# Altium PCB GameBoard_V1I1_Phase1.PcbDoc (part 15 of 18)
Units mm, origin at the board's own origin, x right, y up, seen from the top; angles counter-clockwise.
Board outline 182 x 70.2 mm, 12 copper layers (L1, L2, L3, L4, L5 (PWR), L6 (PWR), L7 (PWR), L8 (PWR), L9, L10, L11, L12), stack 2.079 mm thick; 1542 components, 1068 nets, 5447 pads, 3805 vias.
Unrouted connection lines stored in the file: 2.
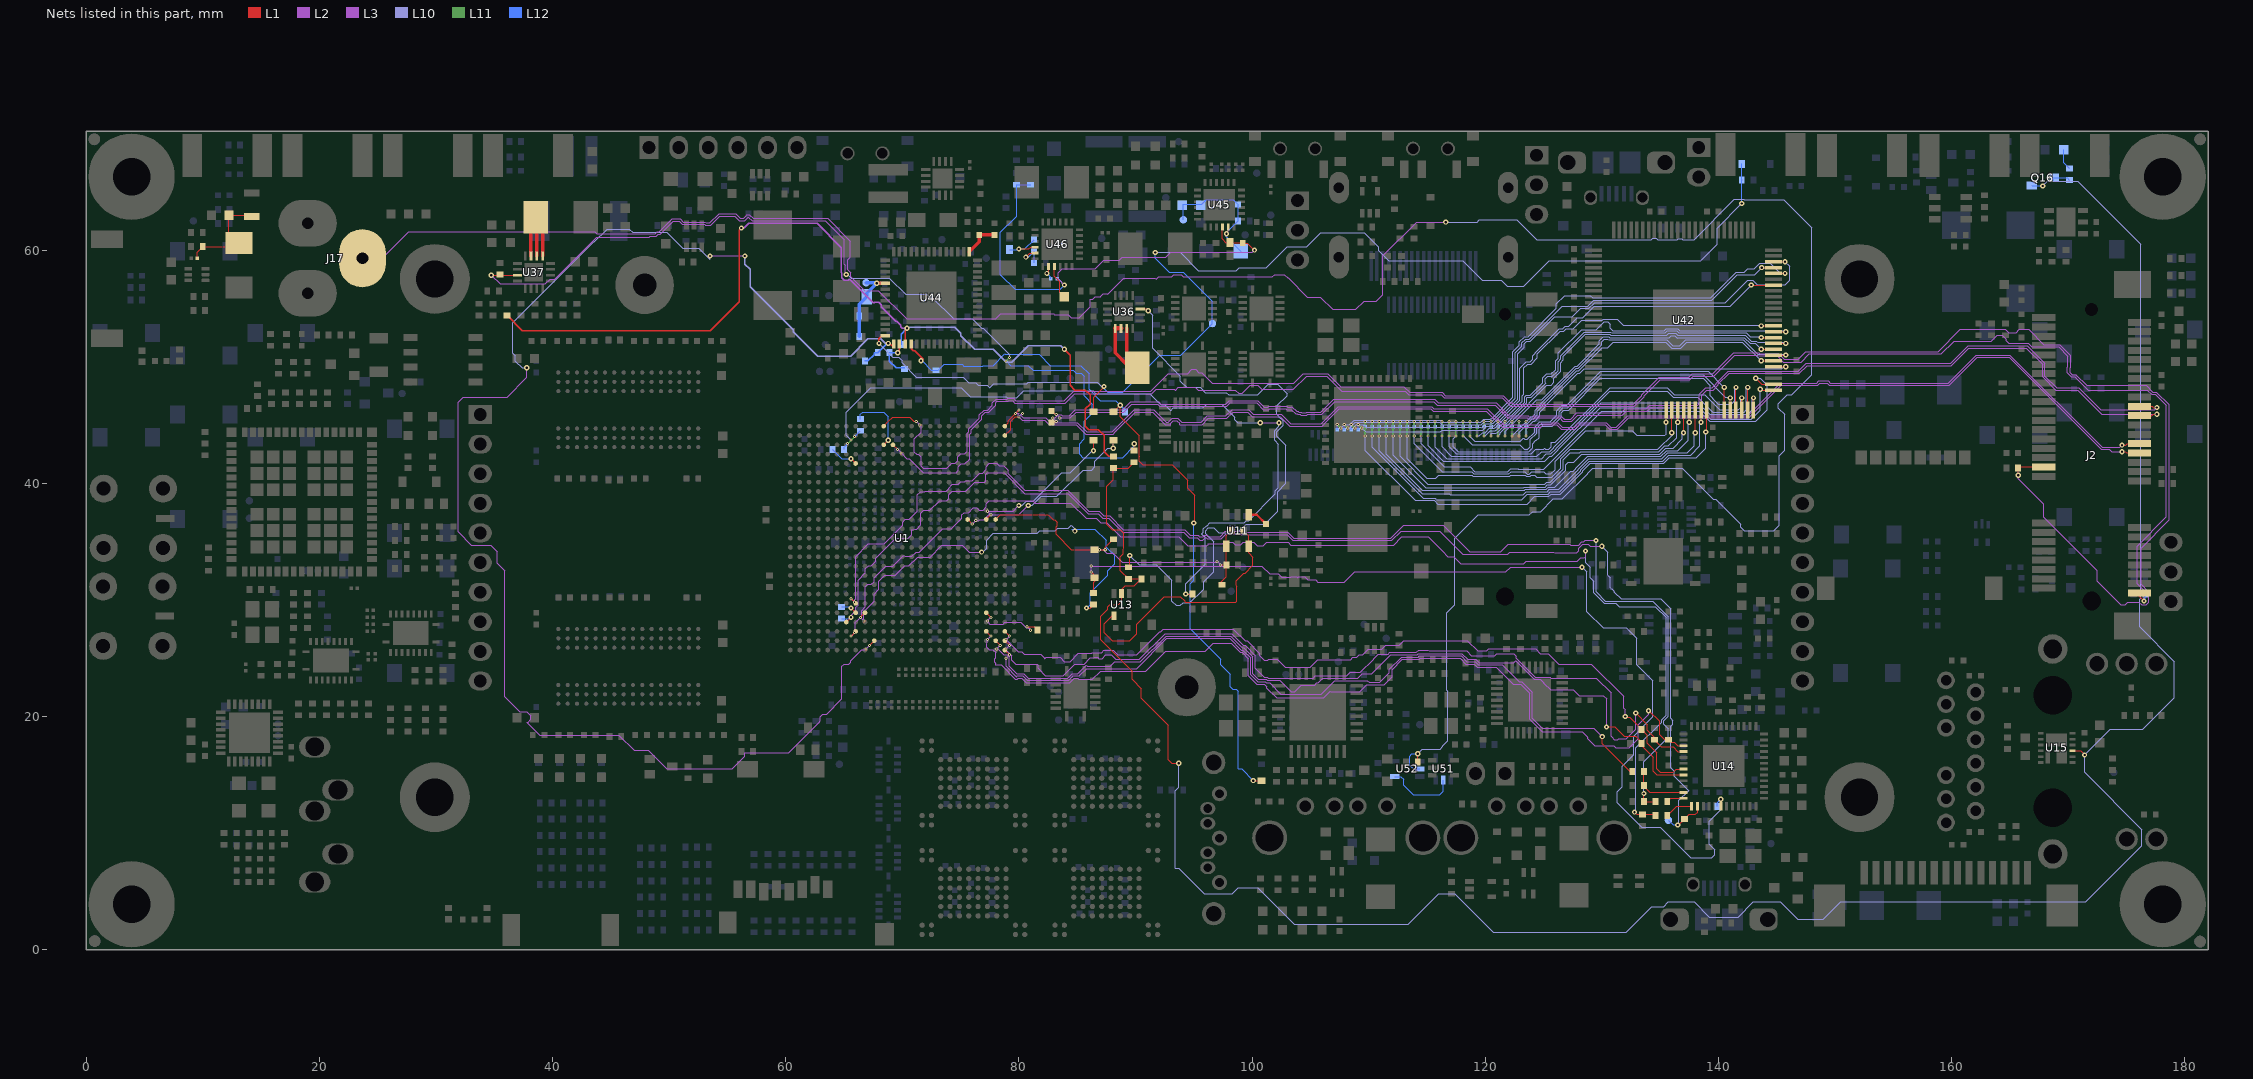
[diagram p25: the nets of this part, all layers, seen from the top]

## Via types
v1: diameter 0.45, hole 0.2, L1 to L12, 1937 vias
v2: diameter 0.45, hole 0.2, L1 to L12, tented both sides, 1004 vias
v3: diameter 0.27, hole 0.1, L1 to L2, 337 vias
v4: diameter 0.27, hole 0.1, L2 to L3, 335 vias
v5: diameter 0.27, hole 0.1, L10 to L11, 96 vias
v6: diameter 0.27, hole 0.1, L11 to L12, 94 vias
v7: diameter 0.27, hole 0.1, L3 to L5 (PWR), 2 vias

## Nets (pads, with @x,y where several pads share a name; then routed paths per layer and width w, separated by ;. In a path a pad name is that pad's centre, name@x,y a point inside that pad or via, vN(x,y) a via of type N, cw(c..) or ccw(c..) an arc to the next point about the centre after c; other vN are vias at no path point) (continued)
PCIE_RSTn_R: R18.1 R110.2 R674.1 | length 66
  L1 w0.1: v1(94.3,30.5) R110.2@94.9,30.5
  L3 w0.1: v2(100.7,45.2) v2(102.3,45.2)
  L10 w0.1: v5(65.6,43.7) 65.2,44.1 65.2,46.1 67.275,48.175 75.075,48.175 75.83,47.42 78.894,47.42 78.982,47.332 79.81,47.332 80.403,47.925 86.362,47.925 86.587,47.7 91.224,47.7 92.185,46.739 92.514,46.739 93.011,46.241 93.245,46.475 95.774,46.475 96.099,46.8 97.387,46.8 98.525,45.662 98.525,45.445 98.77,45.2 v2(100.7,45.2) ; v1(94.3,30.5) 94.3,31.4 95.975,33.075 95.975,35.355 95.7,35.63 95.7,35.687 95.813,35.8 95.813,36.083 96.105,36.375 96.162,36.375 96.387,36.6 99.317,36.6 99.517,36.8 99.705,36.8 102,39.095 102,39.373 102.232,39.605 102.232,43.364 101.925,43.671 101.925,44.51 102.3,44.885 v2(102.3,45.2)
  L11 w0.1: v6(65.3,43.4) v5(65.6,43.7) v6(65.9,44)
  L12 w0.1: R18.1@65,42.9 65,43.1 v6(65.3,43.4) ; v6(65.9,44) R674.1@66.4,44.5
PCIE_RSTn_R_CPU: R18.2 R581.2 U1.V5 | length 2.5
  L1 w0.093: v2(65.6,42.1) U1.V5@66,41.7
  L12 w0.093: R18.2@64,42.9 64.8,42.1 v2(65.6,42.1)
PCIE_RSTn_R_CPU_ALT: R674.2 U1.R3 | length 5.6
  L1 w0.1: U1.R3@68.4,43.3 v2(68.8,43.7)
  L12 w0.1: R674.2@66.4,45.5 66.4,45.9 66.6,46.1 68.4,46.1 68.8,45.7 v2(68.8,43.7)
PCIE_RX_N: J2.23 U1.B1 | length 110.2
  L1 w0.1: U1.B1@78.8,44.9 79.1,45.2 79.1,45.383 v3(80.009,46.291) ; v1(174.6,42.7) 174.9,42.7 175,42.6 J2.23@176.1,42.6
  L3 w0.1: v4(79.709,45.991) 80.009,45.991 79.941,45.924 79.941,45.759 80.3,45.4 82.217,45.4 82.617,45 84.917,45 85.717,44.2 88.083,44.2 88.283,44.4 89.983,46.1 91.5,46.1 92.4,45.2 92.57,45.03 93.025,45.03 93.025,45.155 93.245,45.375 93.555,45.375 93.775,45.155 93.775,45.03 95.713,45.03 96.255,45.572 97.841,45.572 98.37,46.1 99.617,46.1 100.017,45.7 102.417,45.7 103.217,44.9 106,44.9 106.4,45.3 107.483,46.383 115.334,46.383 115.517,46.2 120.1,46.2 121.5,44.8 124.77,44.8 124.97,45 126.134,45 126.509,44.625 127.7,44.625 128.075,45 130.3,45 130.675,44.625 131.325,44.625 132.3,45.6 142.6,45.6 145.4,48.4 148.504,48.4 148.679,48.575 149.321,48.575 149.496,48.4 159.783,48.4 162.183,50.8 164.917,50.8 172.817,42.9 173.517,42.9 173.717,42.7 v1(174.6,42.7)
  L2 w0.1: v4(79.709,45.991) v3(80.009,46.291)
PCIE_RX_P: J2.25 U1.B2 | length 109.9
  L1 w0.1: U1.B2@78.8,44.1 79.3,44.6 79.3,45.3 79.7,45.7 v3(80,45.7) ; v1(174.6,43.275) 174.925,43.275 175.05,43.4 J2.25@176.1,43.4
  L3 w0.1: v4(80.3,46) 80.141,45.841 80.383,45.6 82.3,45.6 82.5,45.4 82.7,45.2 85,45.2 85.8,44.4 88,44.4 89.9,46.3 91.583,46.3 92.653,45.23 92.825,45.23 92.825,45.238 93.162,45.575 93.638,45.575 93.975,45.238 93.975,45.23 95.63,45.23 96.172,45.772 97.759,45.772 98.287,46.3 99.7,46.3 100.1,45.9 102.5,45.9 103.3,45.1 105.917,45.1 106.917,46.1 107.4,46.583 115.417,46.583 115.6,46.4 120.183,46.4 121.583,45 124.687,45 124.887,45.2 126.217,45.2 126.592,44.825 127.617,44.825 127.992,45.2 130.383,45.2 130.758,44.825 131.242,44.825 132.217,45.8 142.517,45.8 145.317,48.6 148.421,48.6 148.596,48.775 149.404,48.775 149.579,48.6 159.7,48.6 162.1,51 165,51 172.9,43.1 174.425,43.1 v1(174.6,43.275)
  L2 w0.1: v3(80,45.7) v4(80.3,46)
PCIE_TX_N: C62.2 J2.31 | length 105.2
  L1 w0.1: C62.2@82.8,46.2 83.1,45.9 v3(83.2,45.9) ; J2.31@176.1,45.8 177.15,45.8 177.275,45.925 v1(177.6,45.925)
  L3 w0.1: v4(83.5,45.6) 84.4,45.6 84.9,46.1 88.983,46.1 89.683,46.8 91.9,46.8 92.1,46.6 97.834,46.6 98.134,46.9 100.387,46.9 100.962,46.325 101.438,46.325 101.522,46.409 102.878,46.409 102.962,46.325 103.375,46.325 103.725,45.975 103.855,45.975 103.93,45.9 104.113,45.9 104.172,45.841 104.707,45.841 104.766,45.9 105.983,45.9 107.083,47 115.6,47 115.9,46.7 120.841,46.7 121.941,45.6 123.587,45.6 123.662,45.525 124.138,45.525 124.213,45.6 126.387,45.6 126.662,45.325 126.675,45.325 126.7,45.3 127.4,45.3 127.941,45.841 131.741,45.841 132.1,46.2 133.883,46.2 134.183,46.5 138.3,46.5 138.559,46.759 138.559,47.559 139,48 139.566,48 140,48.434 140,48.517 140.908,49.425 146.925,49.425 147.6,50.1 159.983,50.1 161.483,51.6 166.4,51.6 167.8,50.2 167.8,49.117 168.917,48 170.8,48 172.875,45.925 v1(177.6,45.925)
  L2 w0.1: v3(83.2,45.9) v4(83.5,45.6)
PCIE_TX_P: C65.2 J2.33 | length 106
  L1 w0.1: C65.2@82.8,45 83.1,45.3 v3(83.2,45.3) ; J2.33@176.1,46.6 177.2,46.6 177.3,46.5 v1(177.6,46.5)
  L3 w0.1: v4(82.9,45.6) 83.097,45.6 83.382,45.885 83.618,45.885 83.703,45.8 84.317,45.8 84.817,46.3 88.9,46.3 89.6,47 91.983,47 92.183,46.8 97.751,46.8 98.051,47.1 100.47,47.1 101.045,46.525 101.355,46.525 101.439,46.609 102.961,46.609 103.045,46.525 103.355,46.525 103.407,46.576 103.808,46.175 103.938,46.175 104.013,46.1 104.196,46.1 104.255,46.041 104.624,46.041 104.683,46.1 105.9,46.1 106.8,47 107,47.2 115.683,47.2 115.983,46.9 120.924,46.9 122.024,45.8 123.67,45.8 123.745,45.725 124.055,45.725 124.13,45.8 126.47,45.8 126.745,45.525 126.758,45.525 126.783,45.5 127.317,45.5 127.859,46.041 129.993,46.041 130.017,46.066 130.041,46.041 131.659,46.041 131.932,46.315 132.017,46.4 133.8,46.4 134.1,46.7 138.217,46.7 138.359,46.841 138.359,47.641 138.917,48.2 139.483,48.2 139.8,48.517 139.8,48.6 140.825,49.625 146.842,49.625 147.517,50.3 159.9,50.3 161.4,51.8 166.483,51.8 168,50.283 168,49.2 169,48.2 170.883,48.2 172.783,46.3 177.4,46.3 v1(177.6,46.5)
  L2 w0.1: v4(82.9,45.6) v3(83.2,45.3)
PCIE_WAKE: J2.1 R151.1 U1.P3 | length 143.5
  L1 w0.093: U1.P3@69.2,43.3 v3(69.6,42.9)
  L1 w0.1: J2.1@176.1,30.6 176.1,30.3 v1(176.5,29.9)
  L3 w0.1: v4(69.9,42.6) 70.4,42.1 70.6,42.1 71.775,40.925 74.625,40.925 74.8,41.1 74.8,41.43 75.045,41.675 75.375,41.675 75.775,42.075 75.775,43.138 75.775,44.226 75.892,44.344 75.892,44.575 76.815,45.498 76.815,45.801 77.099,46.085 77.402,46.085 78,46.683 78,46.9 78.12,47.02 79.09,47.02 79.145,47.075 79.455,47.075 79.647,46.883 83.983,46.883 84.8,47.7 91.383,47.7 91.758,48.075 93.325,48.075 93.4,48 93.437,48 93.662,48.225 95.138,48.225 95.363,48 98.57,48 98.845,47.725 99.155,47.725 99.83,48.4 100.5,48.4 100.825,48.075 103.545,48.075 104.67,49.2 106.4,49.2 107.7,47.9 113.142,47.9 113.442,47.6 116.217,47.6 116.492,47.325 121.467,47.325 122.192,46.6 132.783,46.6 133.625,47.442 133.625,47.505 135.02,48.9 137.514,48.9 137.814,49.2 139.6,49.2 141.4,51 143.362,51 143.437,50.925 145.037,50.925 145.562,50.4 147.1,50.4 147.8,51.1 159.1,51.1 160.2,52.2 163.4,52.2 163.9,52.7 164.33,52.7 164.675,52.355 164.675,52.225 164.9,52 166.566,52 166.866,51.7 169.183,51.7 169.966,50.917 169.966,49.979 169.925,49.938 169.925,49.462 170.262,49.125 170.575,49.125 171.7,48 176.787,48 177.162,47.625 177.475,47.625 178.417,46.683 178.417,37.117 175.9,34.6 175.9,31.4 176.5,30.8 v1(176.5,29.9)
  L2 w0.1: v3(69.6,42.9) v4(69.9,42.6)
  L12 w0.1: v1(176.5,29.9) 176.6,30 R151.1@176.6,30.4
PCIE_WDISn: J2.20 R14.1 U1.R1 | length 167.6
  L1 w0.093: U1.R1@68.4,44.9 68.8,45.3 69.171,45.672 70.62,45.672 70.992,45.3 v3(71.2,45.3)
  L1 w0.1: v1(165.7,40.7) R14.1@165.7,41.3 165.8,41.4 J2.20@167.9,41.4
  L3 w0.1: v4(71.5,45) 71.575,44.925 71.575,44.345 71,43.77 71,42.7 71.225,42.475 71.355,42.475 71.575,42.255 71.575,41.525 71.8,41.3 73.803,41.3 74.185,41.682 74.185,41.685 74.225,41.725 74.555,41.725 74.775,41.945 74.775,42.275 75.025,42.525 75.355,42.525 75.575,42.745 75.575,43.055 75.575,44.309 75.692,44.426 75.692,44.658 76.615,45.581 76.615,45.884 77.016,46.285 77.319,46.285 77.734,46.7 77.734,46.917 78.037,47.22 79.007,47.22 79.062,47.275 79.538,47.275 79.73,47.083 83.883,47.083 84.7,47.9 91.3,47.9 92.8,49.4 94.47,49.4 94.845,49.775 95.155,49.775 95.43,49.5 95.7,49.5 96.6,48.6 103.583,48.6 104.383,49.4 106.483,49.4 107.583,48.3 113.025,48.3 113.525,47.8 116.3,47.8 116.575,47.525 121.55,47.525 122.16,46.915 122.305,46.915 122.42,46.8 132.7,46.8 133.425,47.525 133.425,47.588 134.937,49.1 137.431,49.1 137.741,49.409 139.526,49.409 141.317,51.2 143.445,51.2 143.52,51.125 145.12,51.125 145.62,50.625 146.825,50.625 147.5,51.3 158.851,51.3 160.751,53.2 164.604,53.2 164.879,52.925 165.521,52.925 165.796,53.2 166.6,53.2 167.9,51.9 169.266,51.9 170.166,51 170.166,49.896 170.125,49.855 170.125,49.545 170.345,49.325 170.658,49.325 171.583,48.4 176.67,48.4 177.245,47.825 177.558,47.825 178.617,46.766 178.617,36.817 176.2,34.4 176.2,31.383 176.875,30.708 176.875,29.745 176.655,29.525 176.345,29.525 176.095,29.775 175.075,29.775 175.075,29.745 174.855,29.525 174.545,29.525 174.325,29.745 174.325,29.775 172.5,31.6 172.5,32.5 167.9,37.1 167.9,38.2 166.1,40 165.7,40.4 v1(165.7,40.7)
  L2 w0.1: v3(71.2,45.3) v4(71.5,45)
PHASE_1V375: L6.1 U36.13 U36.14 U36.15 | length 7.5
  L1 w0.3: U36.13@88.25,53.29 88.25,51.187 L6.1@89.25,50.187 ; U36.15@89.25,53.29 L6.1@89.25,50.187 ; L6.1@89.537,49.9 L6.1@89.25,50.187
  L1 w0.4: U36.13@88.25,53.29 U36.14@88.75,53.29
PHASE_3V3_HDR: L7.1 U37.13 U37.14 U37.15 | length 10.2
  L1 w0.3: U37.15@38.15,59.51 38.15,62.388 L7.1@38.563,62.8 L7.1@38.65,62.713 ; U37.14@38.65,59.51 L7.1@38.65,62.713 ; U37.13@39.15,59.51 39.15,62.213 L7.1@38.65,62.713
PMIC_INT: R435.1 R439.2 U1.T24 U44.1 | length 128.1
  L1 w0.093: v3(67.2,26.1) U1.T24@67.6,26.5
  L1 w0.114: v2(68.8,52) 68.9,52 69.25,51.65 U44.1@69.25,51.95
  L3 w0.1: v2(37.8,49.9) 37.8,49.1 36.1,47.4 32.334,47.4 31.9,46.966 31.9,35.84 33.04,34.7 34.7,34.7 35.257,34.143 35.257,33.126 35.9,32.483 35.9,21.7 37.2,20.4 37.78,20.4 38.125,20.055 38.125,19.745 37.905,19.525 37.825,19.525 37.8,19.5 38.9,18.4 45.7,18.4 46.996,17.103 48.2,17.103 49.803,15.5 55.4,15.5 56.5,16.6 56.5,16.9 60.243,16.9 62.9,19.557 62.9,19.587 62.95,19.637 62.95,19.98 63.17,20.2 63.513,20.2 64.825,21.512 64.825,24.138 64.825,24.3 65,24.475 65.39,24.475 65.575,24.66 65.575,24.775 66.525,25.725 66.825,25.725 v4(66.9,25.8) ; v1(53.5,59.5) v1(56.5,59.5)
  L10 w0.1: v2(37.8,49.9) 37.4,49.9 36.825,50.475 36.825,50.938 36.6,51.163 36.6,53.767 43.533,60.7 43.6,60.7 44.7,61.8 46.6,61.8 46.883,61.517 49.806,61.517 51.183,60.141 52.559,60.141 53.5,59.2 v1(53.5,59.5)
  L10 w0.114: v1(56.5,59.5) 56.5,58.8 56.96,58.34 56.96,56.847 60.632,53.175 60.632,52.999 62.731,50.9 65.56,50.9 67.042,52.382 68.158,52.382 68.54,52 v2(68.8,52)
  L2 w0.1: v4(66.9,25.8) v3(67.2,26.1)
  L12 w0.114: R435.1@66.8,50.5 67.04,50.5 67.582,51.042 67.582,51.2 R439.2@67.9,51.2 68.7,52 v2(68.8,52)
PMIC_ON_REQ: D2.1 R69.1 U1.D11 | length 14
  L1 w0.1: U1.D11@77.2,36.9 v3(77.6,37.3) ; v1(86.4,42.8) D2.1@86.4,43.681
  L3 w0.1: v4(77.3,37.6) 79.5,37.6 v1(80,38.1)
  L10 w0.1: v1(80,38.1) 80.27,38.1 80.645,38.475 81.216,38.475 83.657,40.916 84.413,40.916 86.297,42.8 v1(86.4,42.8)
  L2 w0.1: v4(77.3,37.6) v3(77.6,37.3)
  L12 w0.1: v1(86.4,42.8) R69.1@86.4,43.7
PMIC_SDWNB: R436.1 R439.1 U44.2 | length 3.8
  L1 w0.114: v2(69.6,51.2) 69.75,51.35 U44.2@69.75,51.95
  L12 w0.114: v2(69.6,51.2) R439.1@68.9,51.2 68.9,50.46 69.46,49.9 R436.1@70.2,49.9
PMIC_STBY_REQ: D1.2 D23.2 R434.1 R440.2 U44.4 | length 64.2
  L1 w0.1: D1.2@88.1,46.119 88.681,46.7 v1(88.7,46.7) 88.7,45.7 90.328,44.072 90.328,42.488 90.311,42.471 90.311,42.306 90.328,42.289 90.328,41.872 90.6,41.6 93.13,41.6 94.475,40.255 94.475,39.575 95.075,38.975 95.075,36.675 v1(95,36.6) ; v1(100.1,14.5) 100.781,14.5 D23.2@100.8,14.481
  L1 w0.114: U44.4@70.75,51.95 70.75,51.55 70.918,51.382 71.058,51.382 71.7,50.74 71.8,50.64 71.66,50.5 v2(71.6,50.5)
  L12 w0.1: v2(71.6,50.5) 71.7,50.5 72.5,49.7 R434.1@72.9,49.7 73.1,49.7 73.6,50.2 75.138,50.2 75.288,50.05 76.912,50.05 76.962,50.1 77.783,50.1 78.783,51.1 78.808,51.075 81.725,51.075 82.7,50.1 85.3,50.1 86.025,49.375 86.025,48.045 86.995,47.075 88.325,47.075 v1(88.7,46.7) 89.1,46.3 R440.2@89.1,46.1 ; v1(95,36.6) 95,31.665 94.7,31.365 94.7,27.529 97.325,24.904 97.325,24.442 98.125,23.642 98.125,22.545 98.345,22.325 98.653,22.325 98.8,22.178 98.8,15.5 99.1,15.5 v1(100.1,14.5)
PMIC_STBY_REQ_CPU: D1.1 R68.1 U1.F11 | length 17
  L1 w0.1: U1.F11@75.6,36.9 v3(76,36.5) ; v1(88.1,43) D1.1@88.1,43.681
  L3 w0.1: v4(76.3,36.8) 76.57,36.8 76.645,36.875 76.955,36.875 76.965,36.865 77.4,37.3 80,37.3 v2(80.8,38.1)
  L10 w0.1: v2(80.8,38.1) 81.124,38.1 81.924,38.9 83.263,38.9 85.5,41.137 86.237,41.137 86.5,41.4 86.5,41.9 87.6,43 v1(88.1,43)
  L2 w0.1: v3(76,36.5) v4(76.3,36.8)
  L12 w0.1: v1(88.1,43) R68.1@88.1,43.7
PMIC_VDDOTP: C470.1 R432.1 R438.2 TP38.1 U44.47 | length 7.5
  L1 w0.3: v2(67.8,57.15) U44.47@68.55,57.15
  L12 w0.3: 66.3,53.3 R438.2@66.3,52.6 R432.1@66.3,54.35 66.3,55.35 C470.1@66.95,56 66.95,56.3 v2(67.8,57.15) 67.75,57.2 TP38.1@66.9,57.2
PMIC_VHALF: C426.2 C429.1 U44.29 | length 3.1
  L1 w0.3: U44.29@75.75,59.85 76.6,60.7 C426.2@76.6,61.3 C429.1@77.9,61.3
PMID1: C477.1 C478.1 C479.1 D46.1 R469.2 TP44.1 U45.23 | length 11.7
  L1 w0.1: v1@97.95,61.55 U45.23@97.95,62
  L12 w0.1: TP44.1@94.1,62.6 94.1,63.95 95.7,63.95 96.05,64.3 97.9,64.3 98.4,64.3 C477.1@98.8,63.9 R469.2@98.8,62.5 97.8,61.5 v1(97.8,61.4) 97.8,61.129 D46.1@99.029,59.9
PMID2: C490.1 C491.1 U46.23 | length 2.9
  L1 w0.1: v1(80.6,59.4) 80.95,59.75 U46.23@81.4,59.75
  L12 w0.1: v1(80.6,59.4) 80.8,59.4 C491.1@81.3,59.9 C490.1@81.3,58.9
POK_1V375_OPT: R107.1 U36.3 | length 53.5
  L1 w0.1: R107.1@89.4,32.8 89.5,32.9 v1(89.5,33.8) ; U36.3@90.41,54.95 91.05,54.95 91.1,54.9 v1(91.1,54.8)
  L10 w0.1: v1(89.5,33.8) 90.3,33 91.8,33 93.126,31.674 93.126,29.899 93.5,29.525 93.855,29.525 94.1,29.77 94.67,29.77 95.832,30.932 95.832,31.535 96.7,32.403 96.7,35 96.275,35.425 96.245,35.425 96.013,35.657 96.013,35.943 96.245,36.175 96.725,36.175 97.13,35.77 98.457,35.77 98.562,35.875 98.875,35.875 99.5,36.5 101.1,36.5 102.2,37.6 102.2,39.29 102.9,39.99 102.9,43.27 102.125,44.045 102.125,44.427 102.675,44.977 102.675,45.355 102.455,45.575 102.425,45.575 102.1,45.9 102.1,46.431 102.168,46.499 102.168,46.681 103,47.513 103,47.696 102.196,48.5 101.4,48.5 100.5,47.6 97.981,47.6 97.795,47.786 95.997,47.786 95.558,48.225 94.375,48.225 93.85,48.75 93.85,49.2 91.475,51.575 91.475,54.425 v1(91.1,54.8)
POK_3V3_OPT: R102.1 R313.2 U37.3 | length 78
  L1 w0.1: v1(34.75,57.85) U37.3@36.99,57.85 ; R102.1@89.878,42.8 89.9,42.822 v1(89.9,43.4)
  L3 w0.1: v1(34.75,57.85) 35.5,57.1 39.386,57.1 39.786,57.5 40.2,57.5 43.8,61.1 48.283,61.1 48.383,61.2 48.912,61.2 49.087,61.375 49.258,61.375 50.358,62.475 50.855,62.475 51.13,62.2 53.037,62.2 53.112,62.125 53.588,62.125 54.363,62.9 55.628,62.9 56.001,62.527 56.477,62.527 56.775,62.825 56.805,62.825 57.116,62.514 63.386,62.514 65,60.9 65,58.8 65.1,58.7 65.1,58 v1(65.2,57.9)
  L10 w0.1: v1(65.2,57.9) 65.2,58 65.6,57.6 68.88,57.6 70.28,56.2 72.1,56.2 72.325,55.975 72.525,55.975 74.4,54.1 76,54.1 76.8,53.3 76.93,53.3 79.2,51.03 v5(79.2,50.8)
  L11 w0.1: v6(78.9,50.5) v5(79.2,50.8)
  L12 w0.1: v6(78.9,50.5) 79.3,50.1 80.817,50.1 81.234,49.683 84.651,49.683 84.917,49.417 85.35,49.417 85.6,49.167 85.6,47.5 86.3,46.8 86.3,46 85.6,45.3 85.6,43.8 85.2,43.4 85.2,42.5 85.493,42.207 88.907,42.207 89.9,43.2 v1(89.9,43.4)
POK_PMIC: R100.1 R312.2 R437.1 U44.3 | length 78.9
  L1 w0.114: R312.2@36.1,54.4 37.4,53.1 53.549,53.1 56,55.551 56,61.7 v1(56.2,61.9) ; U44.3@70.25,51.95 70.25,53.15 v2(70.4,53.3) ; v1(83.9,51.5) 84.4,51 84.4,48.4 84.8,48 85.7,48 86.1,47.6 86.1,46.8 85.7,46.4 85.7,44.9 86,44.6 86.8,44.6 87.3,44.1 87.3,42.7 87.7,42.3 R100.1@88.1,42.3
  L3 w0.114: v1(56.2,61.9) 56.438,61.9 56.845,62.307 62.693,62.307 64.782,60.218 64.782,58.078 64.818,58.042 64.818,57.642 65.042,57.418 65.358,57.418 65.458,57.518 65.475,57.518 67.493,55.5 67.61,55.5 67.642,55.532 67.958,55.532 68.182,55.308 68.182,55.128 69.428,53.882 69.541,53.882 69.882,53.541 69.882,53.428 70.01,53.3 v2(70.4,53.3)
  L10 w0.114: v2(70.4,53.3) 70.5,53.3 70.6,53.4 74.49,53.4 75.032,52.858 75.032,52.668 76.2,51.5 77.8,51.5 78.9,50.4 79.4,50.4 80.8,51.8 83.6,51.8 v1(83.9,51.5)
  L12 w0.114: R437.1@69.9,51.9 69.9,52.8 v2(70.4,53.3)
POK_SYS: Q16.1 R97.1 R100.2 R102.2 R107.2 U13.2 U15.9 | length 210.5
  L1 w0.1: R102.2@89.878,41.8 89.378,41.3 R100.2@88.1,41.3 88.1,40.3 87.525,39.725 87.525,36.475 88,36 88.7,36 89,35.7 89,34.412 88.95,34.362 88.95,33.95 88.7,33.7 88.7,32.5 R107.2@89.4,31.8 R97.1@90.5,31.8 89.9,31.2 89.1,31.2 88.8,30.9 U13.2@88.8,30.55 88.8,29.9 88.5,29.6 87.8,29.6 87.6,29.4 87.6,29.217 87,28.617 87,26.6 89.7,23.9 89.7,23.2 90.511,22.389 90.511,21.561 91.013,21.058 91.011,21.056 92.8,19.266 92.8,16.3 93.1,16 v1(93.7,16) ; U15.9@170.36,17.05 171.05,17.05 v1(171.4,16.7)
  L10 w0.1: v1(93.7,16) 93.7,13.95 93.4,13.65 93.4,7 93.7,7 95.9,4.8 98.3,4.8 98.8,5.3 100.5,5.3 103.6,2.2 113.4,2.2 116,4.8 117.37,4.8 120.67,1.5 132.083,1.5 134.283,3.7 135.3,3.7 135.7,4.1 137.9,4.1 139.2,2.8 141.7,2.8 143,4.1 145.3,4.1 146.8,2.6 149,2.6 150.5,4.1 171.5,4.1 176.3,8.9 176.3,10.3 171.4,15.2 v1(171.4,16.7) 173.6,18.9 176.4,18.9 179.1,21.6 179.1,24.7 176.125,27.675 176.125,30.055 176.2,30.13 176.2,60.5 170.8,65.9 168.2,65.9 v1(167.8,65.5)
  L12 w0.1: Q16.1@166.85,65.55 166.9,65.5 v1(167.8,65.5)
POR_Bn: D3.1 R91.1 R96.1 R99.1 R108.1 U1.C11 U11.1 | length 29.7
  L1 w0.1: U1.C11@78,36.9 78.4,37.3 82.5,37.3 82.925,36.875 83.055,36.875 83.275,36.655 83.275,36.345 83.2,36.27 83.2,35.626 84.507,34.319 D3.1@86.5,34.319 86.775,34.319 86.794,34.3 v3(87.4,34.3) 87.4,34.5 R96.1@88.1,35.2 ; R108.1@97.2,31.4 97.8,32 R91.1@97.8,33 ; v3(97.3,33) R91.1@97.8,33 ; R99.1@98.25,35.95 97.8,35.5 U11.1@97.8,34.6 R91.1@97.8,33
  L3 w0.1: v4(86.9,34.3) 87.234,34.3 87.534,34 88.1,34 88.875,33.225 96.925,33.225 v4(97,33.3)
  L2 w0.1: v4(86.9,34.3) v3(87.4,34.3) ; v4(97,33.3) v3(97.3,33)
POR_CT: C101.1 U11.4 | length 1.8
  L1 w0.2: U11.4@99.7,37.3 100.4,37.3 C101.1@101.2,36.5
POR_R_Bn: R99.2 U11.3 U13.4 | length 23
  L1 w0.1: U13.4@88.15,28.65 88.025,28.65 87.325,27.95 87.325,27.175 88,26.5 89.5,26.5 90.1,27.1 90.1,27.9 92.475,30.275 93.855,30.275 94.205,29.925 94.275,29.925 94.275,29.8 98.6,29.8 98.7,29.9 98.7,31.17 98.625,31.245 98.625,31.625 99.3,32.3 99.4,32.3 100.075,32.975 100.075,33.675 99.7,34.05 U11.3@99.7,34.6 99.7,35.5 R99.2@99.25,35.95
PowerGood2: D51.1 U46.3 | length 3
  L1 w0.1: U46.3@83.05,58.6 83.05,57.75 83.5,57.3 83.5,56.4 D51.1@83.9,56
PSEL2: R494.1 U46.2 | length 1.3
  L1 w0.1: v1(82.4,58) 82.55,58.15 U46.2@82.55,58.6
  L12 w0.1: v1(82.4,58) 82.745,57.655 R494.1@82.745,57.525
PWR_1V8WIFI: C524.1 C526.1 L19.2 R507.1 R509.2 | length 9.3
  L1 w0.1: C526.1@9.53,59.3 9.53,59.83 R509.2@10,60.3 12.8,60.3 L19.2@12.95,60.45 ; L19.2@13.1,60.6 L19.2@12.95,60.45 ; R507.1@14.2,62.9 14.1,63 C524.1@12.25,63 12.25,61.15 L19.2@12.95,60.45
PWR_LED_GRN_D: D41.1 R410.1 | length 1.8
  L12 w0.1: D41.1@169.6,68.6 169.6,67.5 R410.1@170.1,67
PWR_LED_GRN_Q: Q16.3 R410.2 | length 1.4
  L12 w0.1: Q16.3@168.75,66.2 169.9,66.2 R410.2@170.1,66
PWR_SEL: J17.3 R319.1 U52.2 | length 228.7
  L1 w0.093: R319.1@114.2,16.1 v1(114.2,16.8)
  L3 w0.1: J17.3@23.7,59.3 25.4,59.3 27.675,61.575 43.625,61.575 43.8,61.4 48.829,61.4 49.004,61.575 49.175,61.575 50.275,62.675 50.938,62.675 51.213,62.4 53.12,62.4 53.195,62.325 53.505,62.325 54.28,63.1 55.711,63.1 56.084,62.727 56.395,62.727 56.614,62.947 56.614,62.96 56.679,63.025 56.888,63.025 57.199,62.714 63.586,62.714 65.545,60.755 65.545,59.404 65.3,59.159 65.3,58.33 65.575,58.055 65.575,57.725 66.775,56.525 67.955,56.525 70.38,54.1 78,54.1 78.425,54.525 82.99,54.525 83.04,54.475 84.221,54.475 84.496,54.2 85.166,54.2 86.117,55.151 86.117,55.8 86.343,55.8 86.543,56 87.025,56 87.025,56.055 87.245,56.275 87.555,56.275 87.605,56.226 88.979,57.6 91.666,57.6 91.783,57.483 92,57.7 93.104,57.7 93.279,57.875 93.921,57.875 94.096,57.7 101.745,57.7 101.945,57.9 102.768,57.9 103.058,57.61 103.107,57.61 104.742,55.975 105.855,55.975 106.896,54.934 108.909,54.934 109.6,55.625 110.659,55.625 111.2,56.166 111.2,59.5 114.1,62.4 v1(116.6,62.4)
  L10 w0.093: v1(114.2,16.8) 114.6,17.2 116.125,17.2 116.371,17.446 116.371,17.471 116.8,17.9 116.8,22.175 116.704,22.271 116.704,28.904 117.4,29.6 117.4,35.3 119.4,37.3 123.775,37.3 124.053,37.578 124.734,37.578 125.827,38.672 126.611,38.672 128.771,40.832 128.771,40.871 129.2,41.3 136.875,41.3 139.546,38.629 139.771,38.629 141.928,36.471 141.928,36.246 142.225,35.95 144.75,35.95 145.2,36.4 145.2,42.375 145.671,42.846 145.671,45.903 145.129,46.446 145.129,46.829 145.9,47.6 146.3,47.6 148,49.3 148,61.9 145.6,64.3 142.225,64.3 142.154,64.371 141.372,64.371 137.9,60.9 136.925,60.9 136.854,60.972 136.546,60.972 136.475,60.9 134.775,60.9 134.654,61.021 134.346,61.021 134.225,60.9 124.4,60.9 122.7,62.6 119.5,62.6 119.3,62.4 v1(116.6,62.4)
  L12 w0.093: v1(114.2,16.8) 113.7,16.8 113.5,16.6 113.5,15.8 113.8,15.5 U52.2@114.375,15.5
PWR_SEL_B: U51.2 U52.4 | length 6.2
  L12 w0.1: U52.4@112.225,14.85 112.75,14.85 113,14.6 113,14.1 113.8,13.3 116.1,13.3 116.4,13.6 U51.2@116.4,14.55
PWRON: D2.2 D44.2 R433.1 TP39.1 U44.56 | length 107.4
  L1 w0.1: D2.2@86.4,46.119 86.4,47.4 v1(87.3,48.3)
  L1 w0.114: v2(68,52) 68,52.4 68.25,52.65 U44.56@68.55,52.65
  L10 w0.1: v2(68,52) 69.2,50.8 69.705,50.8 69.975,50.53 69.975,50.325 71.2,49.1 75.222,49.1 75.719,48.603 76.319,48.603 76.508,48.414 77.286,48.414 77.5,48.2 77.839,48.539 80.659,48.539 80.795,48.675 86.725,48.675 87.1,48.3 v1(87.3,48.3) ; v1(91.7,59.8) 93.825,59.8 95.4,58.225 98.625,58.225 98.9,58.5 101.2,58.5 103,60.3 104.7,60.3 105.9,61.5 109.6,61.5 110.8,60.3 110.8,60 111.7,59.1 118.049,59.1 119.749,57.4 121.383,57.4 121.883,56.9 123.3,56.9 125.5,59.1 138.48,59.1 139.875,60.495 139.875,61.875 v1(142,64)